# Allegro board PoF_TMR_A1-JAN-20-26.brd
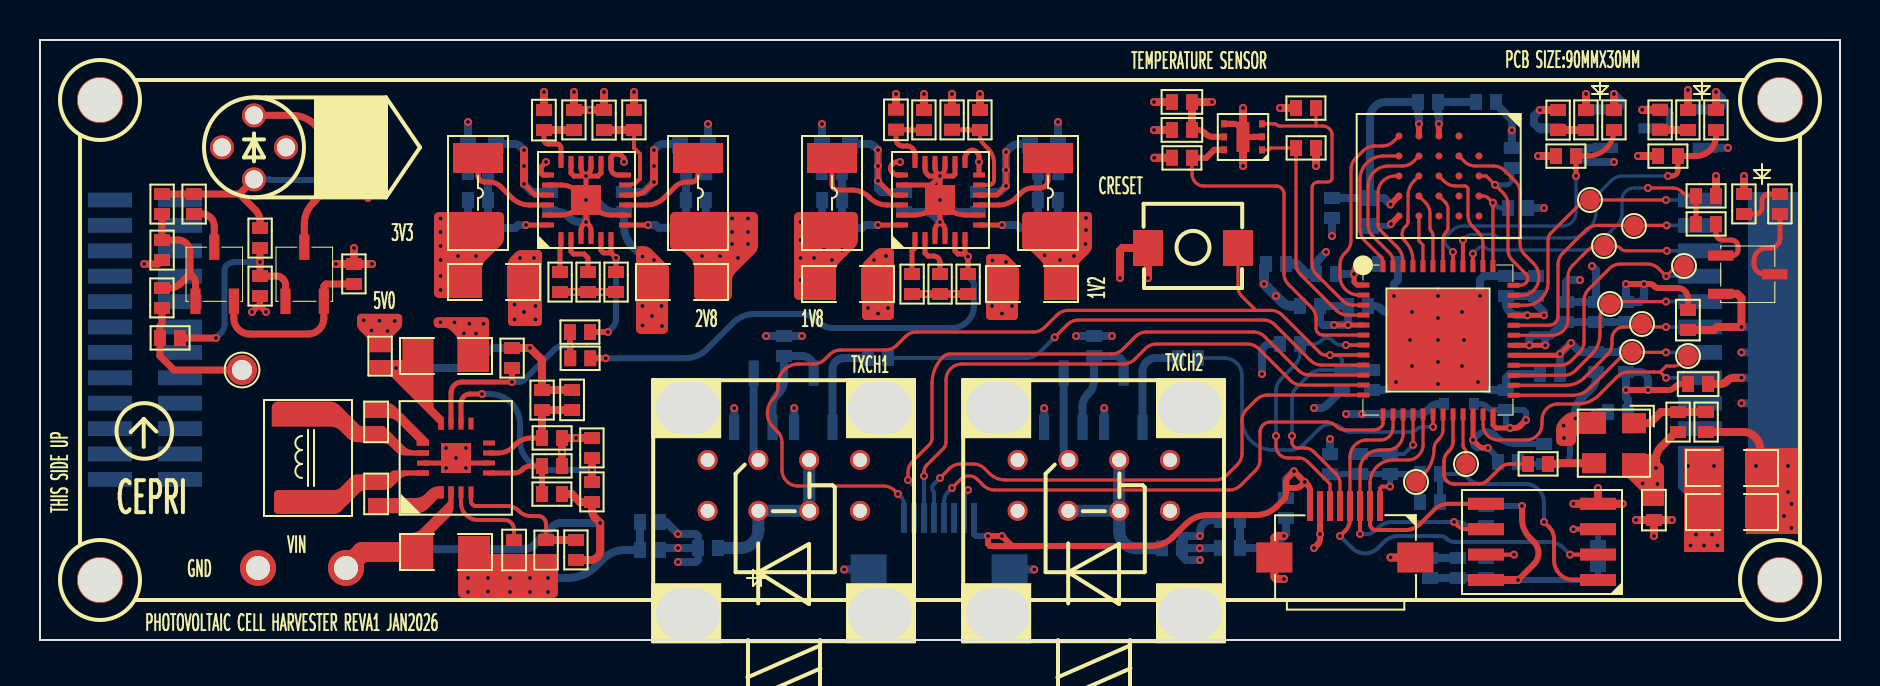
[diagram p0: board, top side]
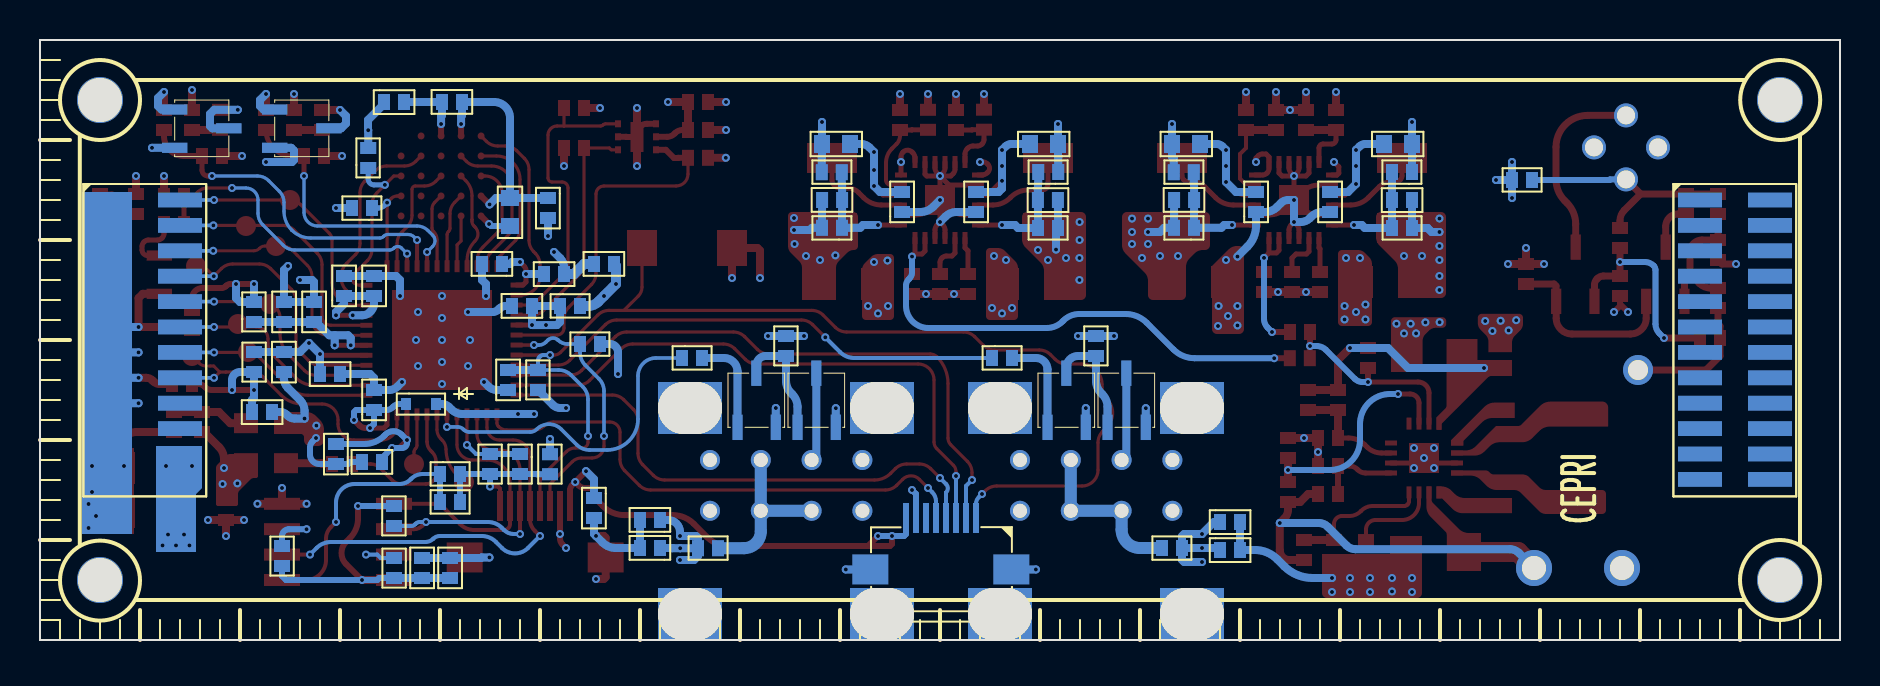
[diagram p1: board, bottom side, seen from below]

Outline 90 x 30 mm; copper layers: TOP, GND, VCC, BOTTOM. Coordinates in mm from the lower left corner of the outline.
Outline path: 0,30 90,30 90,0 0,0 0,30

## Design rules (mm)
constraint set DEFAULT: min track width 0.127
net group EXT_12MHZ: nets EXT_12MHZ N3452915
net group P1V2: nets N3114235 N3114319
net group EN_ME1: nets EN_ME1 EN_ME2 N3114271 N3114529 N3114667 N3116291 N3116549 N3116687 N3123371 N3124274 P5V0 PGOOD SYNC-1 SYNC-2
net group MG1: nets RAM_ADQ7
net group N3119450: nets N3119450 N3119456 N3119520 N3119553
net group P2V8: nets N3116255 N3116339 P2V8
net group P3V3: nets N3116659 N3116719 N3144574 N3144682 N3144686 N3144698 N3153529 N3454817 N3466785 N3468693 UPLD_TXD1
net group VIN: nets N3119651 N3122265 N3127570 VIN

## Placement (name value [footprint] x y rotation side)
C1  10uF  [C0402_SMT]  57.6 26.9 180 top
C2  1uF  [C0402_SMT]  42.8 26.52 270 top
C3  1uF  [C0402_SMT]  25.2 26.5 270 top
C4  0.1uF  [C0402_SMT]  57.6 25.5 180 top
C5  33uF  [C1206_SMT]  21.1 17.1 0 top
C6  33uF  [C1206_SMT]  33.7 18.7 180 top
C7  47uF  [C1206_SMT]  38.8 17 0 top
C8  47uF  [C1206_SMT]  51.2 18.6 180 top
C9  10uF  [C0402_SMT]  82.4 16.5 270 top
C10  47uF  [C1206_SMT]  21.9 15 180 top
C11  10uF  [C0402_SMT]  82.4 12.8 0 top
C12  33pF  [C0402_SMT]  26.6 11.5 90 top
C13  22nF  [C0402_SMT]  16.8 10.4 90 top
C14  47uF  [C1206_SMT]  83 7.8 0 top
C15  22nF  [C0402_SMT]  16.8 6.8 90 top
C16  0.1uF  [C0402_SMT]  80.7 7 270 top
C17  47uF  [C1206_SMT]  83 5.6 0 top
C18  2.2uF  [C0402_SMT]  23.7 4 90 top
C19  47uF  [C1206_SMT]  18.7 3.6 0 top
C20  0.1uF  [C0402_SMT]  68.9 26.9 0 bottom
C21  22uF  [C0603_SMT]  50.9 24.8 180 bottom
C22  22uF  [C0603_SMT]  39.1 24.8 0 bottom
C23  22uF  [C0603_SMT]  33.4 24.8 180 bottom
C24  22uF  [C0603_SMT]  21.4 24.8 0 bottom
C25  100pF  [C0402_SMT]  49.9 22 0 bottom
C26  39pF  [C0402_SMT]  40.1 22 180 bottom
C27  20pF  [C0402_SMT]  32.3 22 0 bottom
C28  16pF  [C0402_SMT]  22.4 22 180 bottom
C29  0.1uF  [C0402_SMT]  46.9 21.4 90 bottom
C30  0.1uF  [C0402_SMT]  43.2 21.4 90 bottom
C31  0.1uF  [C0402_SMT]  29.2 21.4 90 bottom
C32  0.1uF  [C0402_SMT]  25.5 21.4 90 bottom
C33  10uF  [C0603_SMT]  66.5 22.1 270 bottom
C34  10uF  [C0402_SMT]  66.9 18.8 0 bottom
C35  0.1uF  [C0402_SMT]  64.8 18.3 180 bottom
C36  0.1uF  [C0402_SMT]  74.8 17.2 90 bottom
C37  10uF  [C0402_SMT]  73.3 17.2 90 bottom
C38  0.1uF  [C0402_SMT]  65.4 16.7 0 bottom
C39  10uF  [C0402_SMT]  77.8 15.9 90 bottom
C40  0.1uF  [C0402_SMT]  76.3 15.9 90 bottom
C41  10uF  [C0402_SMT]  77.8 14.4 270 bottom
C42  0.1uF  [C0402_SMT]  76 13.3 180 bottom
C43  0.47uF  [C0402_SMT]  66.6 12.5 90 bottom
C44  0.1uF  [C0402_SMT]  73.3 11.5 90 bottom
C45  0.1uF  [C0402_SMT]  75.2 9.8 270 bottom
C46  10uF  [C0402_SMT]  72.9 8.9 0 bottom
C47  10nF  [C0402_SMT]  70.9 3.1 90 bottom
C48  0.1uF  [C0402_SMT]  69.5 3.1 90 bottom
C49  10uF  [C0402_SMT]  62.3 7.1 270 bottom
C50  10uF  [C0402_SMT]  72.8 26.9 180 bottom
C51  10uF  [C0402_SMT]  61.3 18.8 0 bottom
C52  10uF  [C0402_SMT]  79.4 11.4 180 bottom
C53  10uF  [C0402_SMT]  31 5.9 180 bottom
C54  10uF  [C0402_SMT]  31 4.5 180 bottom
C55  10uF  [C0402_SMT]  59 4.6 0 bottom
C56  10uF  [C0402_SMT]  59 6 0 bottom
D1  GREEN LED  [LED0402_SMT]  77.3 25.5 90 top
D2  GREEN LED  [LED0402_SMT]  82.4 25.5 90 top
D3  GREEN LED  [LED0402_SMT]  85.2 21.3 90 top
D4  -  [HFBR-1414TZ-TX]  41 9 270 top
D5  -  [HFBR-1414TZ-TX]  56.5 9 270 top
D6  1N5819WT  [SOD-523]  71.7 11.8 180 bottom
FB1  BLM15PX121SN1D  [L0402_SMT]  64 16.7 180 bottom
FB2  BLM15PX121SN1D  [L0402_SMT]  79.3 15.9 90 bottom
J1  CONN-1X8  [FPC-0D5-8P]  67 6.7 180 top
J2  CONN-24P  [SMD_CONN_2X12P_1D27]  83 22 270 bottom
J3  CONN-24P  [SMD_CONN_2X12P_1D27]  3.5 22 270 bottom
J4  CONN-1X8  [FPC-0D5-8P]  43.2 6.1 0 bottom
L1  1uH/1A  [L1210]  21.9 24.1 270 top
L2  1uH/1A  [L1210]  32.9 24.1 270 top
L3  1uH/1A  [L1210]  39.6 24.1 270 top
L4  1uH/1A  [L1210]  50.4 24.1 270 top
L5  4.7uH/1A  [IND_SMD_4D4X4D2]  13.4 6.9 90 top
L6  2.2uH  [L0402]  64.6 22.1 270 bottom
LD1  LaserDiode  [LD_CIR_THR_4P]  10.7 24.63 270 top
NOREF  -  [unnamed]  3 3 0 top
NOREF#2  -  [unnamed]  3 27 0 top
NOREF#3  -  [unnamed#2]  32.4 1.3 0 top
NOREF#4  -  [unnamed#2]  47.9 1.3 0 top
NOREF#5  -  [unnamed#2]  47.9 11.6 0 top
NOREF#6  -  [unnamed#2]  42 11.6 0 top
NOREF#7  -  [unnamed#2]  42 1.3 0 top
NOREF#8  -  [unnamed]  87 27 0 top
NOREF#9  -  [unnamed]  87 3 0 top
NOREF#10  -  [#2]  0 30 0 top
NOREF#11  -  [unnamed#2]  32.4 11.6 0 top
NOREF#12  -  [#2]  0 0 90 top
NOREF#13  -  [unnamed#2]  57.5 11.6 0 top
NOREF#14  -  [unnamed#2]  57.5 1.3 0 top
Q1  BFR93AWH6327  [SOT23-3]  7.3 16.5 0 top
Q2  BFR93AWH6327  [SOT23-3]  11.8 16.5 0 top
Q3  MMBT2222ALT1G  [SOT-23-3]  83.6 19.7 270 top
Q4  MMBT2222ALT1G  [SOT-23-3]  83.7 27 270 bottom
Q5  MMBT2222ALT1G  [SOT-23-3]  78.7 27 270 bottom
Q6  BFR93AWH6327  [SOT23-3]  55.6 10.2 180 bottom
Q7  T2N7002BK  [SOT23-3]  52.6 10.2 180 bottom
Q8  BFR93AWH6327  [SOT23-3]  40.1 10.2 180 bottom
Q9  T2N7002BK  [SOT23-3]  37.1 10.2 180 bottom
R1  10K  [R0402_SMT]  63.8 26.6 180 top
R2  10R  [R0402_SMT]  26.7 25.5 90 top
R3  DNP  [R0402_SMT]  29.7 25.5 90 top
R4  10R  [R0402_SMT]  44.2 25.5 90 top
R5  0R  [R0402_SMT]  45.6 26.51 270 top
R6  DNP  [R0402_SMT]  47 25.5 90 top
R7  1K  [R0402_SMT]  78.7 25.5 90 top
R8  20K  [R0402_SMT]  81 26.51 270 top
R9  1K  [R0402_SMT]  83.8 25.5 90 top
R10  0R  [R0402_SMT]  28.2 26.5 270 top
R11  20K  [R0402_SMT]  75.9 26.5 270 top
R12  10K  [R0402_SMT]  62.8 24.6 0 top
R13  6.8K  [R0402_SMT]  76.8 24.2 180 top
R14  6.8K  [R0402_SMT]  81.9 24.2 180 top
R15  10K  [R0402_SMT]  57.6 24.11 180 top
R16  6.8K  [R0402_SMT]  82.8 22.2 0 top
R17  20K  [R0402_SMT]  87 21.3 90 top
R18  DNI  [R0402_SMT]  6.1 22.3 270 top
R19  DNI  [R0402_SMT]  7.7 22.3 270 top
R20  1K  [R0402_SMT]  82.8 20.8 0 top
R21  DNI  [R0402_SMT]  11 20.6 270 top
R22  DNI  [R0402_SMT]  6.1 20 270 top
R23  0R  [R0402_SMT]  15.7 17.8 90 top
R24  10K  [R0402_SMT]  26 18.4 270 top
R25  10K  [R0402_SMT]  27.4 18.4 270 top
R26  DNI  [R0402_SMT]  28.8 18.4 270 top
R27  10K  [R0402_SMT]  43.6 18.3 270 top
R28  10K  [R0402_SMT]  45 18.3 270 top
R29  DNI  [R0402_SMT]  46.4 18.3 270 top
R30  DNI  [R0402_SMT]  11 18.2 270 top
R31  DNI  [R0402_SMT]  6.1 16.6 90 top
R32  0R  [R0402_SMT]  27.5 15.4 180 top
R33  510  [R0402_SMT]  6 15.1 0 top
R34  0R  [R0402_SMT]  17 14.7 270 top
R35  100K  [R0402_SMT]  23.6 14.6 270 top
R36  0R  [R0402_SMT]  27.51 14.09 180 top
R37  470K  [R0402_SMT]  25.1 12.5 270 top
R38  0R  [R0402_SMT]  81.9 11.4 270 top
R39  DNP  [R0402_SMT]  83.3 11.4 270 top
R40  143K  [R0402_SMT]  25.1 10.1 0 top
R41  0R  [R0402_SMT]  27.6 9.1 90 top
R42  33R  [R0402_SMT]  74.4 8.8 0 top
R43  142K  [R0402_SMT]  25.1 8.7 0 top
R44  DNI  [R0402_SMT]  27.6 6.9 90 top
R45  470K  [R0402_SMT]  26.1 7.3 180 top
R46  1M  [R0402_SMT]  26.8 4 90 top
R47  432K  [R0402_SMT]  25.3 5 270 top
R48  4.7K  [R0402_SMT]  73.59 23.6 90 bottom
R49  100K  [R0402_SMT]  50.91 23.39 180 bottom
R50  100K  [R0402_SMT]  39.09 23.4 0 bottom
R51  48K  [R0402_SMT]  33.31 23.39 180 bottom
R52  49.9K  [R0402_SMT]  21.4 23.4 0 bottom
R53  0R  [R0402_SMT]  16.4 23 180 bottom
R54  4.7K  [R0402_SMT]  73.4 21.6 0 bottom
R55  49.9K  [R0402_SMT]  49.9 20.61 0 bottom
R56  125K  [R0402_SMT]  40.1 20.6 180 bottom
R57  120K  [R0402_SMT]  32.3 20.61 0 bottom
R58  154K  [R0402_SMT]  22.4 20.6 180 bottom
R59  2.2K  [R0402_SMT]  62 14.8 0 bottom
R60  DNI  [R0402_SMT]  52.7 14.2 90 bottom
R61  DNI  [R0402_SMT]  37.2 14.2 90 bottom
R62  0R  [R0402_SMT]  57.9 14.1 180 bottom
R63  0R  [R0402_SMT]  42.4 14.1 180 bottom
R64  100R  [R0402_SMT]  79.3 14.4 270 bottom
R65  10K  [R0402_SMT]  65.1 12.5 90 bottom
R66  0R  [R0402_SMT]  67.5 9.3 270 bottom
R67  DNI  [R0402_SMT]  66 9.3 270 bottom
R68  10K  [R0402_SMT]  64.5 8.29 90 bottom
R69  DNI  [R0402_SMT]  70 8.3 180 bottom
R70  DNI  [R0402_SMT]  70 6.9 180 bottom
R71  10K  [R0402_SMT]  72.3 5.7 90 bottom
R72  20R  [R0402_SMT]  57.1 4.59 180 bottom
R73  20R  [R0402_SMT]  32.9 4.6 0 bottom
R74  10K  [R0402_SMT]  77.9 4.7 270 bottom
R75  10K  [R0402_SMT]  72.3 4.1 270 bottom
SW1  SW KEY-SPST  [SW_SMD_2P_L3D9_W3D0_P4D5]  59.9 19.6 180 top
TP1  1  [TP_THR_1D0_1D5]  10.1 13.5 0 top
TP2  Solar Cell V-  [TP_THR_1D8_1D2]  10.9 3.6 0 top
TP3  Solar Cell V+  [TP_THR_1D8_1D2]  15.3 3.6 0 top
TP4  T POINT R  [TP_SMD_1D0_NP]  68.8 7.9 0 top
TP5  T POINT R  [TP_SMD_1D0_NP]  71.3 8.8 0 top
TP6  T POINT R  [TP_SMD_1D0_NP]  77.5 22 0 top
TP7  T POINT R  [TP_SMD_1D0_NP]  79.7 20.7 0 top
TP8  T POINT R  [TP_SMD_1D0_NP]  78.2 19.7 0 top
TP9  T POINT R  [TP_SMD_1D0_NP]  82.2 18.7 0 top
TP10  T POINT R  [TP_SMD_1D0_NP]  78.5 16.8 0 top
TP11  T POINT R  [TP_SMD_1D0_NP]  80.1 15.8 0 top
TP12  T POINT R  [TP_SMD_1D0_NP]  79.6 14.4 0 top
TP13  T POINT R  [TP_SMD_1D0_NP]  82.4 14.2 0 top
U1  TMP117  [WDFN-6-EP-2X2]  61.2 26.2 180 top
U2  APS25608N-OBR-BD  [BGA-24]  71.95 25.2 270 top
U3  MAX20416ATGD/V+  [TQFN-24]  27.3 22 0 top
U4  MAX20416ATGD/V+  [TQFN-24]  45 22 0 top
U5  iCE40UP5K- SG48  [QFN-48]  69.9 15 0 top
U6  LTC3129EUD  [QFN-16-3X3]  20.8 9.1 90 top
U7  W25Q64JWSSIQ  [SOIC-8]  77.9 3 180 top
Y1  12.0MHz  [SMD2520-4P]  78.7 9.8 180 top

## Library data of the parts
C1 C4 C9 C11 C20 C33-C56 = CAP NP
C2 C3 C12 C13 C15 C16 C18 C21-C32 = CAP NP: signal model: DEFAULT_CAPACITOR_1e+07pF_2_1
C5-C8 C10 C14 C17 C19 = CAP NP: signal model: DEFAULT_CAPACITOR_2.2e+07pF_2_1
D1-D3 = LED
D4 D5 = HFBR-1414TZ-TX
D6 = DIODE
FB1 FB2 = INDUCTOR
J1 J4 = CONN-1X8
J2 J3 = CONN-24P
L1-L6 = INDUCTOR: signal model: DEFAULT_INDUCTOR_4700nH_2_1
LD1 = LaserDiode_0
Q1 Q2 Q6 Q8 = 2SC1815
Q3-Q5 = MMBT2222AL
Q7 Q9 = MOSFET N_0
R1 R7-R9 R11-R17 R20 R48 R54 R59 R62-R71 R74 R75 = R
R2-R6 R10 R24-R29 R32 R34-R47 R49-R52 R55-R58 = R: signal model: DEFAULT_RESISTOR_10000OHM_2_1
R18 R21 R22 R30 R31 R33 = R: signal model: DEFAULT_RESISTOR_510.000000OHM_2_1
R19 R23 R53 R60 R61 R72 R73 = R: signal model: DEFAULT_RESISTOR_40.000000OHM_2_1
SW1 = SW KEY-SPST
TP1-TP3 = T POINT A
TP4-TP13 = T POINT R
U1 = TMP117
U2 = APS25608N-OBR-BD_2
U3 U4 = MAX20416ATGD/V+
U5 = iCE40UP5K- SG48
U6 = LTC3129EUD
U7 = W25Q64JW
Y1 = OSCILLATOR

## Footprints (pads in the part's own frame, mm; a bottom-side part is the same pattern mirrored in y, then rotated)
BGA-24
  round 0.35 smd: A2(1,0) A3(2,0) A4(3,0) A5(4,0) B1(0,-1) B2(1,-1) B3(2,-1) B4(3,-1) B5(4,-1) C1(0,-2) C2(1,-2) C3(2,-2) C4(3,-2) C5(4,-2) D1(0,-3) D2(1,-3) D3(2,-3) D4(3,-3) D5(4,-3) E1(0,-4) E2(1,-4) E3(2,-4) E4(3,-4) E5(4,-4)
C0402_SMT
  rect 0.6x0.8 smd: 1(0,0) 2(1,0)
C0603_SMT
  rect 0.8x0.9 smd: 1(0,0) 2(1.4,0)
C1206_SMT
  rect 1.5x1.6 smd: 1(0.2,0.8) 2(3,0.8)
FPC-0D5-8P
  rect 0.3x1.5 smd: 1(0,0) 2(0.5,0) 3(1,0) 4(1.5,0) 5(2,0) 6(2.5,0) 7(3,0) 8(3.5,0)
  rect 1.8x1.5 smd: 9(-1.767,2.573) 10(5.283,2.573)
HFBR-1414TZ-TX
  round 1 hole 0.7: 1(0,0) 2(0,-2.54) 3(0,-5.08) 4(0,-7.62) 5(2.54,-7.62) 6(2.54,-5.08) 7(2.54,-2.54) 8(2.54,0)
IND_SMD_4D4X4D2
  rect 1.05x2.2 smd: 1(0,0) 2(4.4,0)
L0402
  rect 0.6x0.8 smd: 1(0,0) 2(1,0)
L0402_SMT
  rect 0.6x0.8 smd: 1(0,0) 2(1,0)
L1210
  rect 1.5x2.5 smd: 1(0,0) 2(3.5,0)
LD_CIR_THR_4P
  round 1.2 hole 0.9: 1(1.6,0) 2(-1.6,0) 3(0,1.6) 4(0,-1.6)
LED0402_SMT
  rect 0.6x0.8 smd: 1(0,0) 2(1,0)
QFN-16-3X3
  rect 0.6x0.25 smd: 1(-1.72,0.75) 2(-1.72,0.25) 3(-1.72,-0.25) 4(-1.72,-0.75) 9(1.72,-0.75) 10(1.72,-0.25) 11(1.72,0.25) 12(1.72,0.75)
  rect 0.25x0.6 smd: 5(-0.75,-1.65) 6(-0.25,-1.65) 7(0.25,-1.65) 8(0.75,-1.65) 13(0.75,1.65) 14(0.25,1.65) 15(-0.25,1.65) 16(-0.75,1.65)
  rect 1.5x1.5 smd: 17(0,0)
QFN-48
  rect 0.6x0.25 smd: 1(-3.73,2.748) 2(-3.73,2.248) 3(-3.73,1.748) 4(-3.73,1.248) 5(-3.73,0.748) 6(-3.73,0.248) 7(-3.73,-0.252) 8(-3.73,-0.752) 9(-3.73,-1.252) 10(-3.73,-1.752) 11(-3.73,-2.252) 12(-3.73,-2.752) 25(3.78,-2.764) 26(3.78,-2.264) 27(3.78,-1.764) 28(3.78,-1.264) 29(3.78,-0.764) 30(3.78,-0.264) 31(3.78,0.236) 32(3.78,0.736) 33(3.78,1.236) 34(3.78,1.736) 35(3.78,2.236) 36(3.78,2.736)
  rect 0.25x0.6 smd: 13(-2.748,-3.72) 14(-2.248,-3.72) 15(-1.748,-3.72) 16(-1.248,-3.72) 17(-0.748,-3.72) 18(-0.248,-3.72) 19(0.252,-3.72) 20(0.752,-3.72) 21(1.252,-3.72) 22(1.752,-3.72) 23(2.252,-3.72) 24(2.752,-3.72) 37(2.746,3.69) 38(2.246,3.69) 39(1.746,3.69) 40(1.246,3.69) 41(0.746,3.69) 42(0.246,3.69) 43(-0.254,3.69) 44(-0.754,3.69) 45(-1.254,3.69) 46(-1.754,3.69) 47(-2.254,3.69) 48(-2.754,3.69)
  rect 5x5 smd: 49(0,0)
R0402_SMT
  rect 0.6x0.8 smd: 1(0,0) 2(1,0)
SMD2520-4P
  rect 1.2x1 smd: 1(-1,-1.04) 2(1,-1.04) 3(1,0.96) 4(-1,0.96)
SMD_CONN_2X12P_1D27
  rect 0.74x2.2 smd: 1(0,-3.5) 2(1.27,-3.5) 3(2.54,-3.5) 4(3.81,-3.5) 5(5.08,-3.5) 6(6.35,-3.5) 7(7.62,-3.5) 8(8.89,-3.5) 9(10.16,-3.5) 10(11.43,-3.5) 11(12.7,-3.5) 12(13.97,-3.5) 13(13.97,0) 14(12.7,0) 15(11.43,0) 16(10.16,0) 17(8.89,0) 18(7.62,0) 19(6.35,0) 20(5.08,0) 21(3.81,0) 22(2.54,0) 23(1.27,0) 24(0,0)
SOD-523
  rect 0.5x0.6 smd: 1(0,0) 2(1.5,0)
SOIC-8
  rect 1.8x0.6 smd: 1(0,0) 2(0,-1.27) 3(0,-2.54) 4(0,-3.81) 5(5.6,-3.81) 6(5.6,-2.54) 7(5.6,-1.27) 8(5.6,0)
SOT23-3
  rect 0.51x1.27 smd: 1(0.476,0.434) 2(2.391,0.434) 3(1.415,3.142)
SOT-23-3
  rect 0.51x1.27 smd: 1(0.476,0.434) 2(2.391,0.434) 3(1.415,3.142)
SW_SMD_2P_L3D9_W3D0_P4D5
  rect 1.5x1.8 smd: 1(0,0) 2(4.5,0)
TP_SMD_1D0_NP
  round 1 smd: 1(0,0)
TP_THR_1D0_1D5
  round 1.5 hole 1: 1(0,0)
TP_THR_1D8_1D2
  round 1.8 hole 1.2: 1(0,0)
TQFN-24
  rect 0.25x0.6 smd: 1(-1.25,-1.9) 2(-0.75,-1.9) 3(-0.25,-1.9) 4(0.25,-1.9) 5(0.75,-1.9) 6(1.25,-1.9) 13(1.25,1.9) 14(0.75,1.9) 15(0.25,1.9) 16(-0.25,1.9) 17(-0.75,1.9) 18(-1.25,1.9)
  rect 0.6x0.25 smd: 7(1.95,-1.25) 8(1.95,-0.75) 9(1.95,-0.25) 10(1.95,0.25) 11(1.95,0.75) 12(1.95,1.25) 19(-1.9,1.25) 20(-1.9,0.75) 21(-1.9,0.25) 22(-1.9,-0.25) 23(-1.9,-0.75) 24(-1.9,-1.25)
  rect 1.5x1.5 smd: EPAD(0,0)
unnamed
  round 2.3 hole 2.2 unplated: (0,0)
unnamed#2
  rect 3.2x2.6 hole 3.2x2.6 unplated: (0,0)
WDFN-6-EP-2X2
  rect 0.3x0.35 smd: 1(0.1,1.69) 2(0.1,1.04) 3(0.1,0.39) 4(2,0.39) 5(2,1.04) 6(2,1.69)
  rect 0.65x1.5 smd: 7(1.05,1.05)

## Nets
GND: C1.2 C2.1 C3.1 C4.2 C5.2 C6.2 C7.2 C8.2 C9.2 C10.1 C11.2 C14.2 C16.2 C17.2 C18.1 C19.2 C20.2 C21.1 C22.1 C23.1 C24.1 C29.1 C30.1 C31.1 C32.1 C33.2 C34.2 C35.2 C36.2 C37.2 C38.2 C39.2 C40.2 C41.2 C42.2 C43.1 C44.2 C45.2 C46.2 C47.2 C48.2 C49.2 C50.2 C51.2 C52.2 C53.2 C54.2 C55.2 C56.2 J1.7 J1.9 J1.10 J2.1 J2.2 J2.3 J2.4 J2.5 J2.6 J2.7 J2.8 J2.9 J2.10 J2.11 J2.12 J4.7 J4.9 J4.10 Q3.2(EMITTER) Q4.2(EMITTER) Q5.2(EMITTER) Q6.2(E) Q7.2(SOURCE) Q8.2(E) Q9.2(SOURCE) R3.2 R6.2 R22.2 R23.2 R30.2 R39.2 R40.2 R41.2 R43.2 R47.2 R49.1 R50.1 R51.1 R52.1 SW1.2 TP2.1(TP) U1.2 U1.4 U1.7 U2.C1 U2.E5(VSS#E5) U3.3 U3.4 U3.8 U3.12 U3.13 U3.14 U3.15 U3.16 U3.17 U3.19 U3.20 U3.23 U3.EPAD U4.3 U4.4 U4.8 U4.12 U4.13 U4.14 U4.15 U4.16 U4.17 U4.19 U4.20 U4.23 U4.EPAD U5.49 U6.6 U6.15 U6.17 U7.4 Y1.2
P1V2: C8.1 C9.1 C11.1 C25.2 C51.1 C52.1 FB1.2 FB2.2 L4.2 R55.2 R64.2
P1V8: C1.1 C4.1 C7.1 C16.1 C26.2 C34.1 C35.1 C36.1 C37.1 C45.1 C46.1 C47.1 C48.1 C49.1 C50.1 J1.8 J4.8 L3.2 L6.2 R1.2 R12.2 R13.2 R14.2 R15.2 R16.2 R38.2 R48.2 R54.2 R56.2 R59.1 R65.1 R68.2 R71.2 R74.2 R75.2 U1.5(V+) U5.1 U5.22 U5.33 U7.8 Y1.4(VCC)
P2V8: C6.1 C27.2 D6.2 L2.2 R57.2
P3V3: C5.1 C14.1 C17.1 C28.2 C53.1 C54.1 C55.1 C56.1 D1.2 D2.2 D3.2 J2.13 J2.14 L1.2 R53.1 R58.2 R60.2 R61.2 R72.1 R73.1
P5V0: C21.2 C22.2 C23.2 C24.2 C29.2 C30.2 C31.2 C32.2 R2.2 R4.2 R5.1 R10.1 R24.2 R25.2 R26.2 R27.2 R28.2 R29.2 R34.1 U3.10 U3.21 U4.10 U4.21
VIN: C19.1 R44.1 R45.1 R46.1 TP3.1(TP) U6.2
ALERT: R1.1 U1.3 U5.3
CDONE: J1.6 R59.2 U5.7
CRESET: C43.2 J1.5 J4.1 R65.2 SW1.1 U5.8
EFLASH_CS: R69.1 R70.1 U7.1
EN_ME1: R29.1 R36.1 U4.5 U4.6
EN_ME2: R26.1 R32.1 U3.5 U3.6
EXT_12MHZ: R42.1 U5.20
FAST_CS: J1.1 R66.2 R67.2 R68.1 R69.2 R70.2
FAST_MISO: J1.4 U5.14 U7.2
FAST_MOSI: J1.2 U5.17 U7.5
FAST_SCLK: J1.3 R71.1 U5.15 U7.6
ICE_CS: R66.1 R67.1 U5.16
IO19: TP4.1(TP) U5.19
IO21: TP5.1(TP) U5.21
IO_23: J2.17 TP13.1(TP) U5.23
IO_25: J2.18 TP12.1(TP) U5.25
IO_26: J2.19 TP11.1(TP) U5.26
IO_27: J2.20 TP10.1(TP) U5.27
IO_28: J2.21 TP9.1(TP) U5.28
IO_31: J2.22 TP8.1(TP) U5.31
IO_32: J2.23 TP7.1(TP) U5.32
IO_34: J2.24 TP6.1(TP) U5.34
LED0: R16.1 R20.1 U5.39
LED1: R9.1 R14.1 U5.40
LED2: R7.1 R13.1 U5.41
NC.A2: U2.A2
NC.A5: U2.A5
NC.B1: U2.B1
NC.B3: U2.B3
NC.B4: U2.B4
NC.B5: U2.B5
NC.C5: U2.C5
PGOOD: R32.2 R35.2 R36.2 U6.11
RAM_ADQ0: U2.D3 U5.45
RAM_ADQ1: U2.D2 U5.47
RAM_ADQ2: U2.C4 U5.42
RAM_ADQ3: U2.D4 U5.43
RAM_ADQ4: U2.D5 U5.44
RAM_ADQ5: U2.E3 U5.46
RAM_ADQ6: U2.E2 U5.48
RAM_ADQ7: U2.E1 U5.2
RAM_CE: R48.1 U2.A3 U5.36
RAM_CLK: U2.B2 U5.35
RAM_DQS: U2.C3 U5.38
RAM_RST: R54.1 U2.A4 U5.37
RFU: U2.C2
SCL: R12.1 U1.1 U5.4
SDA: R15.1 U1.6 U5.6
SYNC-1: R5.2 R6.1 U4.11(SYNC)
SYNC-2: R3.1 R10.2 U3.11(SYNC)
TCK: J4.2 U5.10
TDI: J4.4 U5.12
TDO: J4.3 U5.11
TMS: J4.5 U5.13
UPLD_TXD1: R31.1 R33.1 TP1.1(TP)
UPLD_TXD2: R63.1 U5.9
UPLD_TXD3: R62.1 U5.18
N1648364: C39.1 C40.1 FB2.1 U5.30
N1648368: C38.1 FB1.1 U5.5
N1648564: R74.1 U7.3(W\P\(IO2))
N1648568: R75.1 U7.7
N1648824: C41.1 C42.1 R64.1 U5.29
N1648996: C44.1 D6.1(K) U5.24(VPP_2V5)
N1650132: C20.1 C33.1 L6.1 U2.D1 U2.E4
N1650410: Q5.1 R7.2
N1650418: Q4.1 R9.2
N1650426: Q3.1 R20.2
N3114235: L4.1 U4.9
N3114271: R28.1 U4.2
N3114319: C25.1 R49.2 R55.1 U4.7
N3114529: C2.2 R4.1 U4.18
N3114639: L3.1 U4.22
N3114667: R27.1 U4.1
N3114699: C26.1 R50.2 R56.1 U4.24
N3116255: L2.1 U3.9
N3116291: R25.1 U3.2
N3116339: C27.1 R51.2 R57.1 U3.7
N3116549: C3.2 R2.1 U3.18
N3116659: L1.1 U3.22
N3116687: R24.1 U3.1
N3116719: C28.1 R52.2 R58.1 U3.24
N3119450: C13.1 L5.2 U6.14
N3119456: C15.2 L5.1 U6.16
N3119520: C15.1 U6.1
N3119553: C13.2 U6.13
N3119651: R46.2 R47.1 U6.4
N3122265: R41.1 R44.2 U6.10
N3122703: C18.2 U6.3
N3123371: C10.2 C12.2 R34.2 R35.1 R37.1 U6.12(VOUT)
N3124274: C12.1 R37.2 R40.1 U6.7
N3127570: R43.1 R45.2 U6.5
N3144574: LD1.1 R18.1 R19.1 R21.1 R53.2
N3144674: LD1.2 Q2.3
N3144682: Q1.1 R18.2 R22.1 R31.2
N3144686: Q1.3 R19.2
N3144698: Q2.1 R21.2 R30.1 R33.2
N3144846: Q1.2(E) Q2.2(E) R23.1
N3153529: D4.2 D4.6 D4.7 R73.2
N3153778: D4.3 Q9.3
N3452855: R38.1 R39.1 Y1.1
N3452915: R42.2 Y1.3
N3454817: D5.2 D5.6 D5.7 R72.2
N3455721: Q6.1 R62.2
N3466449: Q8.1 R63.2
N3466785: Q8.3 Q9.1 R61.1
N3468693: Q6.3 Q7.1 R60.1
N3469920: D5.3 Q7.3
N16499101: D1.1(CATHODE) R11.2
N16499261: D2.1(CATHODE) R8.2
N16499421: D3.1(CATHODE) R17.2
N16501820: Q5.3 R11.1
N16501980: Q4.3 R8.1
N16502140: Q3.3 R17.1

Pads without a net: D4 1 4 5 8; D5 1 4 5 8; J2 15 16; J3 1 2 3 4 5 6 7 8 9 10 11 12 13 14 15 16 17 18 19 20 21 22 23 24; J4 6; LD1 3 4; U6 8 9

## Via types
v1: diameter 0.4, hole 0.2, TOP to BOTTOM, 313 vias

## Routing (per net, layer and track width the routed paths; a pad name or vN(x,y) marks a point on that pad's centre or on a via; arc(x,y) is an arc through that point)
GND: length 174.5
  TOP w0.25: U4.4 45.25,20.5 arc(45.22,20.64) 45.14,20.76 v1(45,20.9) ; v1(27.3,23.2) 26.7,23.2 26.55,23.35 U3.17 ; v1(27.3,23.2) 27.16,23.34 arc(27.08,23.46) 27.05,23.6 U3.16 ; v1(27.3,23.2) 27.44,23.34 arc(27.52,23.46) 27.55,23.6 U3.15 ; v1(27.3,23.2) v1(27.3,22) ; v1(27.3,23.2) 27.9,23.2 28.05,23.35 U3.14 ; U4.12 v1(46.95,23.9) 46.95,24.16 arc(46.93,24.28) 46.86,24.38 46.84,24.4 arc(46.62,24.49) 46.4,24.4 46.36,24.36 arc(46.28,24.24) 46.25,24.1 U4.13 ; v1(45,22) v1(45,20.9) ; v1(45,22) 44.61,21.61 arc(44.21,21.34) 43.74,21.25 U4.23 ; v1(45,22) v1(45,23.2) ; v1(45,22) 45.39,21.61 arc(45.79,21.34) 46.26,21.25 U4.8 ; v1(45,20.9) 44.86,20.76 arc(44.78,20.64) 44.75,20.5 U4.3 ; U4.15 45.25,23.6 arc(45.22,23.46) 45.14,23.34 v1(45,23.2) ; v1(25.3,23.9) 25.06,23.66 25.06,23.34 25.15,23.25 U3.19 ; v1(27.3,20.9) 27.44,20.76 arc(27.52,20.64) 27.55,20.5 U3.4 ; v1(27.3,20.9) v1(27.3,22) ; v1(27.3,20.9) 27.16,20.76 arc(27.08,20.64) 27.05,20.5 U3.3 ; v1(45,23.2) 44.55,22.75 U4.20 ; v1(45,23.2) 44.86,23.34 arc(44.78,23.46) 44.75,23.6 U4.16 ; v1(45,23.2) 44.46,23.2 44.34,23.32 arc(44.27,23.42) 44.25,23.53 U4.17 ; v1(45,23.2) 45.66,23.2 45.75,23.29 U4.14 ; U3.8 28.56,21.25 arc(28.09,21.34) 27.69,21.61 v1(27.3,22) ; v1(27.3,22) 26.91,22.39 arc(26.51,22.66) 26.04,22.75 U3.20 ; v1(27.3,22) 26.91,21.61 arc(26.51,21.34) 26.04,21.25 U3.23 ; U6.6 21.05,8.85 v1(20.8,9.1) 20.55,8.85 U6.15 ; U4.19 42.9,23.25 arc(42.76,23.28) 42.64,23.36 42.6,23.4 arc(42.52,23.59) 42.6,23.77 42.65,23.82 arc(42.74,23.88) 42.84,23.9 v1(43,23.9) ; U3.12 28.87,23.25 arc(28.76,23.27) 28.67,23.33 28.63,23.37 arc(28.57,23.46) 28.55,23.57 U3.13 28.55,24.15 28.7,24.3 28.88,24.3 arc(28.99,24.28) 29.08,24.22 29.2,24.1 v1(29.2,23.9)
  TOP w0.3: v1(11.3,16.4) 11,16.7 11,16.8 ; v1(63.7,4.6) 63.88,4.78 arc(63.97,4.91) 64,5.07 v1(64,5.3) J1.7 ; U2.C1 v1(69.95,25.8) ; U2.E5 v1(67.55,20.8) ; R30.2 11,16.8 ; 11,16.8 v1(10.6,16.4) ; U1.2 60.68,25.16 60.67,25.15 U1.7 60.15,25.51 59.98,25.68 arc(59.84,25.78) 59.67,25.81 U1.4
  TOP w0.35: v1(5.2,18.8) 5.9,18.8 R22.2
  TOP w0.4: R43.2 v1(26.1,9.4) R40.2 v1(26.8,10.1) R41.2 ; C2.1 v1(42.8,27.3) ; C3.1 v1(25.2,27.4) ; v1(60.15,23.7) U1.7 ; U7.4 v1(76.67,6.81) ; U7.4 v1(77.9,7.6) ; U7.4 v1(79.13,6.81) ; C14.2 86,9.59 arc(85.94,9.88) 85.78,10.12 85.72,10.18 arc(85.48,10.34) 85.19,10.4 R39.2 ; R23.2 v1(15.7,19.6) ; R23.2 v1(14.8,18.8) ; R23.2 v1(16.6,18.8) ; C1.2 v1(55.7,26.9) ; v1(62.2,3.05) 61.81,3.05 61.72,3.14 J1.10 61.72,5.11 61.81,5.2 v1(62.2,5.2) ; Q3.2 84.86,17.31 85.07,17.1 v1(85.07,15.65) 83.85,15.65 83.7,15.5 C9.2 ; C16.2 v1(79.8,6) ; C16.2 v1(80.7,5.2) ; C16.2 v1(81.6,6) ; R6.2 v1(47,27.3) ; C4.2 v1(55.7,25.5) ; v1(85.07,13.11) 84.69,13.11 arc(84.52,13.08) 84.38,12.98 84.33,12.93 arc(84.19,12.83) 84.02,12.8 C11.2 ; J1.9 v1(67.53,4.13) ; v1(55.4,18.1) SW1.2 54.13,19.6 54,19.47 v1(54,18.1) ; R3.2 v1(29.7,27.4) ; v1(60.15,26.6) 60.15,25.51
  BOTTOM w0.3: J4.7 46.2,7.3 v1(46.4,7.5) ; C33.2 67.45,20.7 v1(67.55,20.8) ; v1(76.2,10.1) 76.37,9.93 arc(76.47,9.79) 76.5,9.62 76.5,9.27 arc(76.36,8.94) 76.03,8.8 C45.2 74.61,8.8 74.51,8.9 C46.2
  BOTTOM w0.4: C52.2 77.99,11.4 arc(77.81,11.36) 77.66,11.26 77.61,11.21 arc(77.46,11.11) 77.28,11.07 v1(76.77,11.07) 76.77,11.46 arc(76.83,11.75) 76.99,11.99 77.62,12.62 arc(77.75,12.82) 77.8,13.06 C41.2 ; C49.2 62.3,5.3 v1(62.2,5.2) 61.87,4.87 arc(61.57,4.67) 61.21,4.6 C55.2 C56.2 ; Q5.2 77.44,24.61 77.3,24.47 77.3,24 77.4,23.9 v1(78.7,23.9) ; C30.1 44.19,21.4 arc(44.48,21.34) 44.72,21.18 v1(45,20.9) ; Q7.2 v1(50.21,11.59) ; v1(39.1,25.8) C22.1 39.1,24.16 39.09,24.15 R50.1 ; C38.2 66.73,16.7 arc(66.89,16.67) 67.02,16.58 67.08,16.52 arc(67.21,16.43) 67.37,16.4 v1(68.6,16.4) ; J2.6 v1(85.07,15.65) ; C53.2 C54.2 29.26,4.5 arc(28.65,4.38) 28.13,4.03 27.79,3.69 arc(27.14,3.25) 26.37,3.1 v1(25.4,3.1) ; C36.2 C37.2 72.2,18.2 72,18 v1(72,17.2) ; C42.2 73.5,13.3 73.3,13.1 C44.2 72.54,12.5 arc(72.32,12.54) 72.13,12.67 v1(71.9,12.9) ; v1(77,18) 76.4,18 76.3,17.9 C40.2 C39.2 77.8,18.5 v1(77.6,18.7) ; v1(45,22) 45.33,21.67 arc(45.63,21.47) 45.98,21.4 C29.1 ; C47.2 C48.2 67.94,4.1 67.92,4.13 v1(67.53,4.13) ; Q4.2 v1(84.4,24.61) ; J2.7 v1(85.07,14.38) ; v1(64.3,19.4) 63.98,19.08 arc(63.85,18.88) 63.8,18.64 C35.2 ; C50.2 C20.2 69.9,26.24 69.95,26.19 v1(69.95,25.8) ; R49.1 50.91,24.15 50.9,24.16 C21.1 v1(50.9,25.9) ; Q8.2 v1(37.71,11.6) ; Q6.2 v1(53.21,11.6) ; R51.1 33.31,24.07 33.4,24.16 C23.1 v1(33.4,25.8) ; v1(30.13,19.17) 29.63,19.67 arc(29.31,20.15) 29.2,20.71 C31.1 28.76,21.4 arc(28.43,21.47) 28.15,21.65 27.95,21.85 arc(27.78,21.96) 27.59,22 v1(27.3,22) v1(27.3,20.9) 26.96,20.9 arc(26.72,20.95) 26.52,21.08 26.42,21.18 arc(26.18,21.34) 25.89,21.4 C32.1 ; C34.2 67.9,18 67.7,17.8 v1(67.7,17.2) ; C43.1 67.16,12.5 arc(67.38,12.54) 67.57,12.67 v1(67.8,12.9) ; J2.8 v1(85.07,13.11) ; v1(85.07,11.84) J2.9 ; Q9.2 v1(34.71,11.59) ; J4.10 v1(49.71,3.53) ; J4.9 v1(40.21,3.53) ; v1(21.4,25.9) C24.1 R52.1